# Altium PCB JTAG-批量下载V06.PcbDoc (part 3 of 13) (continued)
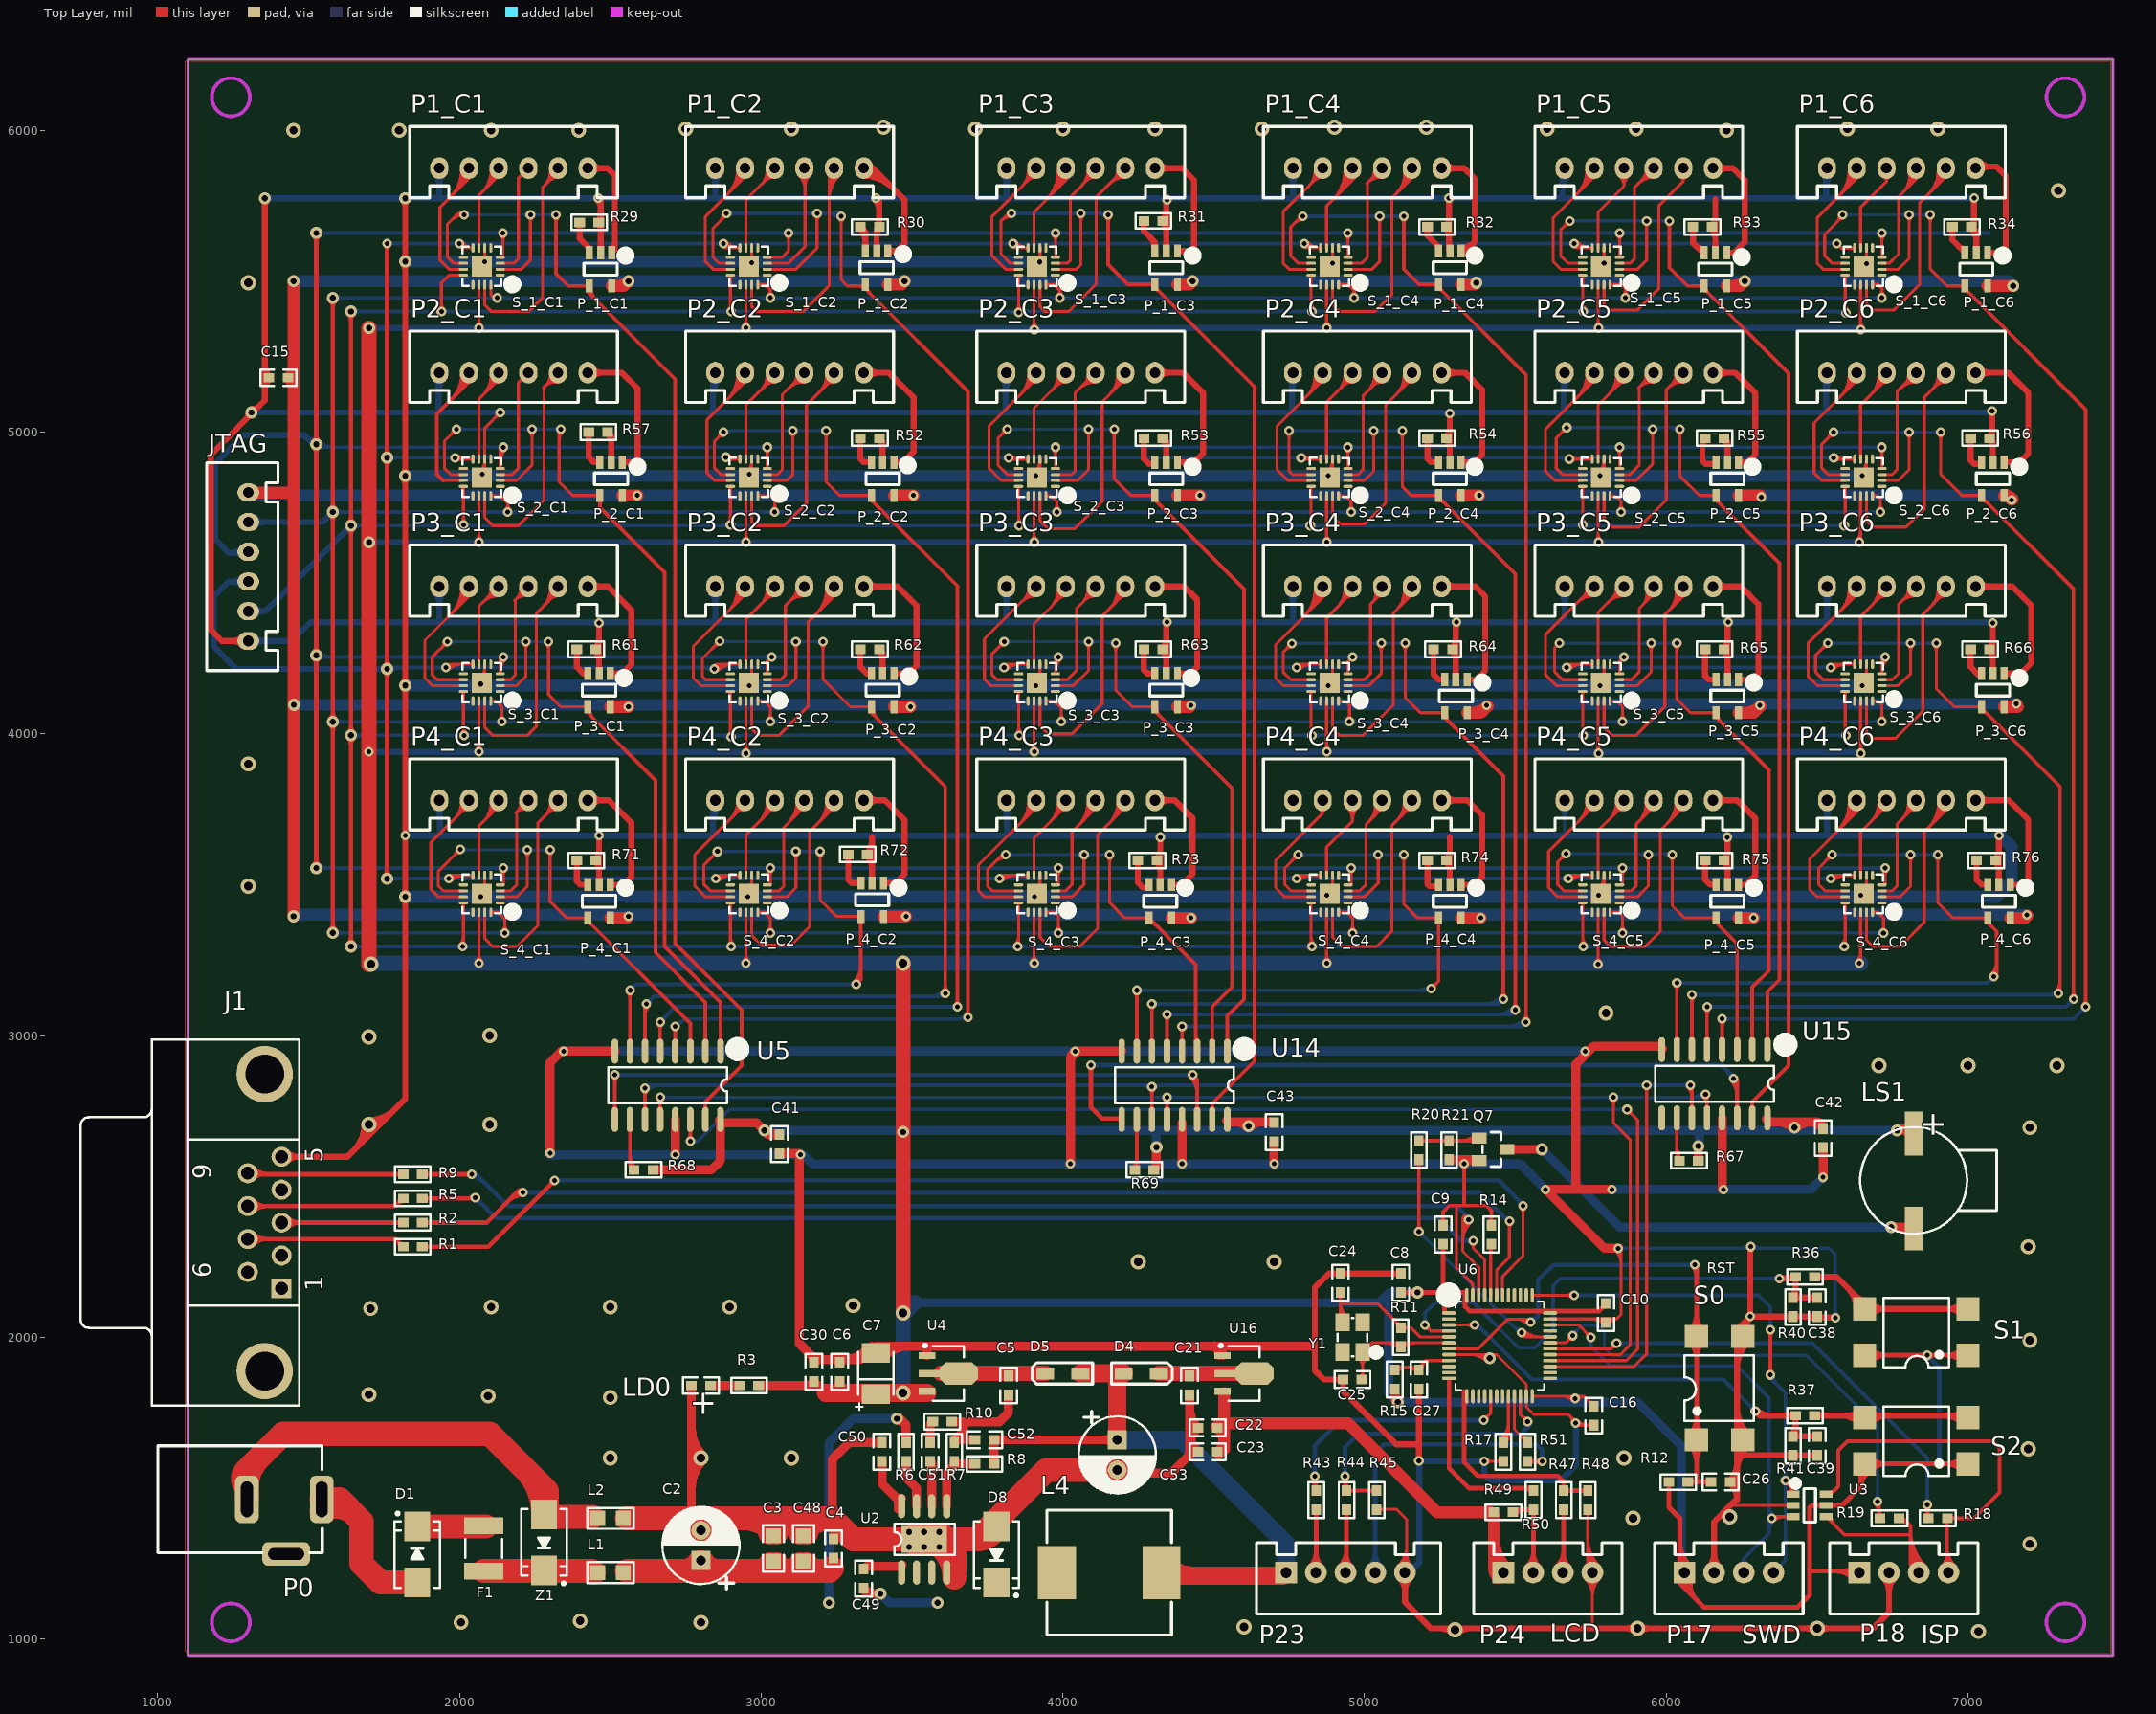
[diagram p0: Top Layer view]
## Nets (pads, with @x,y where several pads share a name; then routed paths per layer and width w, separated by ;. In a path a pad name is that pad's centre, name@x,y a point inside that pad or via, vN(x,y) a via of type N, cw(c..) or ccw(c..) an arc to the next point about the centre after c; other vN are vias at no path point) (continued)
  Top Layer w12: P_2_C1.4@2465.2,4789.76 2465.2,4749.8 2680,4535 2680,3295 2865,3110 U5.1@2865,2948.19 ; P_2_C1.4@2461.09,4775.81 cw(c2451.17,4765.89) 2465.2,4765.89 ; P_2_C1.4@2461.09,4775.81 cw(c2451.17,4765.89) 2465.2,4765.89 ; P_2_C1.4@2461.09,4775.81 cw(c2451.17,4765.89) 2465.2,4765.89 ; 2465.2,4765.89 cw(c2479.23,4765.89) P_2_C1.4@2469.31,4775.81 ; 2465.2,4765.89 cw(c2479.23,4765.89) P_2_C1.4@2469.31,4775.81 ; 2465.2,4765.89 cw(c2479.23,4765.89) P_2_C1.4@2469.31,4775.81 ; U5.1@2861.59,2982.11 ccw(c2853.35,2990.35) 2865,2990.35 ; U5.1@2861.59,2982.11 ccw(c2853.35,2990.35) 2865,2990.35 ; U5.1@2861.59,2982.11 ccw(c2853.35,2990.35) 2865,2990.35 ; 2865,2990.35 ccw(c2876.65,2990.35) U5.1@2868.41,2982.11 ; 2865,2990.35 ccw(c2876.65,2990.35) U5.1@2868.41,2982.11 ; 2865,2990.35 ccw(c2876.65,2990.35) U5.1@2868.41,2982.11
  Bottom Layer w10: v1(1990,5010) v1(2335,5010) ; 2016.56,5010 ccw(c2016.56,4983.44) 1997.78,5002.22 cw(c2016.56,4983.44) 2016.56,5010 ; 2016.56,5010 cw(c2016.56,5036.56) 1997.78,5017.78 ccw(c2016.56,5036.56) 2016.56,5010 ; 2213.44,5010 ccw(c2213.44,5036.56) 2232.22,5017.78 cw(c2213.44,5036.56) 2213.44,5010 ; 2213.44,5010 cw(c2213.44,4983.44) 2232.22,5002.22 ccw(c2213.44,4983.44) 2213.44,5010 ; 2266.56,5010 ccw(c2266.56,4983.44) 2247.78,5002.22 cw(c2266.56,4983.44) 2266.56,5010 ; 2266.56,5010 cw(c2266.56,5036.56) 2247.78,5017.78 ccw(c2266.56,5036.56) 2266.56,5010 ; 2308.44,5010 ccw(c2308.44,5036.56) 2327.22,5017.78 cw(c2308.44,5036.56) 2308.44,5010 ; 2308.44,5010 cw(c2308.44,4983.44) 2327.22,5002.22 ccw(c2308.44,4983.44) 2308.44,5010
EN_2_C2: P_2_C2.4 S_2_C2.2 S_2_C2.10 U5.5 | length 5493.4
  Top Layer w10: v1(2875,5000) 2845,4970 2845,4880 2865.63,4859.37 S_2_C2.10@2897.95,4859.37 ; S_2_C2.2@3020,4839.69 3084.68,4839.69 3105,4860 v1(3105,5005) ; v1(3215,5005) 3215,4835 3260.24,4789.76 P_2_C2.4@3365.2,4789.76 ; 2856.22,4981.22 ccw(c2837.44,5000) v1@2864,5000 ; 2856.22,4981.22 cw(c2875,4962.44) v1@2875,4989 ; 2856.22,4981.22 ccw(c2837.44,5000) v1@2864,5000 ; 2856.22,4981.22 cw(c2875,4962.44) v1@2875,4989 ; 2856.22,4981.22 ccw(c2837.44,5000) v1@2864,5000 ; 2856.22,4981.22 cw(c2875,4962.44) v1@2875,4989 ; v1@3097.22,4997.22 cw(c3078.44,4978.44) 3105,4978.44 ; v1@3097.22,4997.22 cw(c3078.44,4978.44) 3105,4978.44 ; v1@3097.22,4997.22 cw(c3078.44,4978.44) 3105,4978.44 ; 3105,4978.44 cw(c3131.56,4978.44) v1@3112.78,4997.22 ; 3105,4978.44 cw(c3131.56,4978.44) v1@3112.78,4997.22 ; 3105,4978.44 cw(c3131.56,4978.44) v1@3112.78,4997.22 ; v1@3207.22,4997.22 cw(c3188.44,4978.44) 3215,4978.44 ; v1@3207.22,4997.22 cw(c3188.44,4978.44) 3215,4978.44 ; v1@3207.22,4997.22 cw(c3188.44,4978.44) 3215,4978.44 ; 3215,4978.44 cw(c3241.56,4978.44) v1@3222.78,4997.22 ; 3215,4978.44 cw(c3241.56,4978.44) v1@3222.78,4997.22 ; 3215,4978.44 cw(c3241.56,4978.44) v1@3222.78,4997.22 ; 3348.75,4789.76 ccw(c3348.75,4806.21) P_2_C2.4@3360.38,4794.58 ; 3348.75,4789.76 cw(c3348.75,4773.32) P_2_C2.4@3360.38,4784.95 ; 3348.75,4789.76 ccw(c3348.75,4806.21) P_2_C2.4@3360.38,4794.58 ; 3348.75,4789.76 cw(c3348.75,4773.32) P_2_C2.4@3360.38,4784.95 ; 3348.75,4789.76 ccw(c3348.75,4806.21) P_2_C2.4@3360.38,4794.58 ; 3348.75,4789.76 cw(c3348.75,4773.32) P_2_C2.4@3360.38,4784.95
  Top Layer w12: U5.5@2665,2945 v1(2665,3045) ; P_2_C2.4@3365.2,4789.76 3365.2,4774.8 3650,4490 v1(3650,3095) ; v1@2657.93,3037.93 cw(c2640.86,3020.86) 2665,3020.86 ; v1@2657.93,3037.93 cw(c2640.86,3020.86) 2665,3020.86 ; v1@2657.93,3037.93 cw(c2640.86,3020.86) 2665,3020.86 ; U5.5@2661.59,2982.11 ccw(c2653.35,2990.35) 2665,2990.35 ; U5.5@2661.59,2982.11 ccw(c2653.35,2990.35) 2665,2990.35 ; U5.5@2661.59,2982.11 ccw(c2653.35,2990.35) 2665,2990.35 ; 2665,2990.35 ccw(c2676.65,2990.35) U5.5@2668.41,2982.11 ; 2665,2990.35 ccw(c2676.65,2990.35) U5.5@2668.41,2982.11 ; 2665,2990.35 ccw(c2676.65,2990.35) U5.5@2668.41,2982.11 ; 2665,3020.86 cw(c2689.14,3020.86) v1@2672.07,3037.93 ; 2665,3020.86 cw(c2689.14,3020.86) v1@2672.07,3037.93 ; 2665,3020.86 cw(c2689.14,3020.86) v1@2672.07,3037.93 ; P_2_C2.4@3371.01,4779.92 ccw(c3397.39,4779.92) 3378.74,4761.26 ; P_2_C2.4@3371.01,4779.92 ccw(c3397.39,4779.92) 3378.74,4761.26 ; P_2_C2.4@3371.01,4779.92 ccw(c3397.39,4779.92) 3378.74,4761.26 ; v1@3642.93,3102.07 ccw(c3625.86,3119.14) 3650,3119.14 ; v1@3642.93,3102.07 ccw(c3625.86,3119.14) 3650,3119.14 ; v1@3642.93,3102.07 ccw(c3625.86,3119.14) 3650,3119.14 ; 3650,3119.14 ccw(c3674.14,3119.14) v1@3657.07,3102.07 ; 3650,3119.14 ccw(c3674.14,3119.14) v1@3657.07,3102.07 ; 3650,3119.14 ccw(c3674.14,3119.14) v1@3657.07,3102.07
  Bottom Layer w10: v1(2875,5000) 2880,5005 v1(3215,5005) ; v1@2882.78,4992.22 cw(c2913.63,4961.37) 2913.63,5005 ; v1@2882.78,4992.22 cw(c2913.63,4961.37) 2913.63,5005 ; v1@2882.78,4992.22 cw(c2913.63,4961.37) 2913.63,5005 ; 3078.44,5005 ccw(c3078.44,5031.56) 3097.22,5012.78 cw(c3078.44,5031.56) 3078.44,5005 ; 3078.44,5005 cw(c3078.44,4978.44) 3097.22,4997.22 ccw(c3078.44,4978.44) 3078.44,5005 ; v1@3112.78,4997.22 cw(c3131.56,4978.44) 3131.56,5005 ; v1@3112.78,4997.22 cw(c3131.56,4978.44) 3131.56,5005 ; v1@3112.78,4997.22 cw(c3131.56,4978.44) 3131.56,5005 ; v1@3112.78,5012.78 ccw(c3131.56,5031.56) 3131.56,5005 ; v1@3112.78,5012.78 ccw(c3131.56,5031.56) 3131.56,5005 ; v1@3112.78,5012.78 ccw(c3131.56,5031.56) 3131.56,5005 ; 3188.44,5005 ccw(c3188.44,5031.56) v1@3207.22,5012.78 ; 3188.44,5005 cw(c3188.44,4978.44) v1@3207.22,4997.22 ; 3188.44,5005 ccw(c3188.44,5031.56) v1@3207.22,5012.78 ; 3188.44,5005 cw(c3188.44,4978.44) v1@3207.22,4997.22 ; 3188.44,5005 ccw(c3188.44,5031.56) v1@3207.22,5012.78 ; 3188.44,5005 cw(c3188.44,4978.44) v1@3207.22,4997.22
  Bottom Layer w12: v1(2665,3045) 2715,3095 v1(3650,3095) ; v1@2665,3055 ccw(c2665,3079.14) 2682.07,3062.07 ; v1@2665,3055 ccw(c2665,3079.14) 2682.07,3062.07 ; v1@2665,3055 ccw(c2665,3079.14) 2682.07,3062.07 ; v1@2675,3045 cw(c2699.14,3045) 2682.07,3062.07 ; v1@2675,3045 cw(c2699.14,3045) 2682.07,3062.07 ; v1@2675,3045 cw(c2699.14,3045) 2682.07,3062.07 ; 3625.86,3095 ccw(c3625.86,3119.14) v1@3642.93,3102.07 ; 3625.86,3095 cw(c3625.86,3070.86) v1@3642.93,3087.93 ; 3625.86,3095 ccw(c3625.86,3119.14) v1@3642.93,3102.07 ; 3625.86,3095 cw(c3625.86,3070.86) v1@3642.93,3087.93 ; 3625.86,3095 ccw(c3625.86,3119.14) v1@3642.93,3102.07 ; 3625.86,3095 cw(c3625.86,3070.86) v1@3642.93,3087.93
EN_2_C3: P_2_C3.4 S_2_C3.2 S_2_C3.10 U14.1 | length 4054.1
  Top Layer w10: v1(3815,5010) 3785,4980 3785,4890 3815.63,4859.37 S_2_C3.10@3852.95,4859.37 ; S_2_C3.2@3975,4839.69 4049.68,4839.69 4085,4875 v1(4085,5010) ; v1(4170,5010) 4170,4845 4225.24,4789.76 P_2_C3.4@4305.2,4789.76 ; 3796.22,4991.22 ccw(c3777.44,5010) v1@3804,5010 ; 3796.22,4991.22 cw(c3815,4972.44) v1@3815,4999 ; 3796.22,4991.22 ccw(c3777.44,5010) v1@3804,5010 ; 3796.22,4991.22 cw(c3815,4972.44) v1@3815,4999 ; 3796.22,4991.22 ccw(c3777.44,5010) v1@3804,5010 ; 3796.22,4991.22 cw(c3815,4972.44) v1@3815,4999 ; v1@4077.22,5002.22 cw(c4058.44,4983.44) 4085,4983.44 ; v1@4077.22,5002.22 cw(c4058.44,4983.44) 4085,4983.44 ; v1@4077.22,5002.22 cw(c4058.44,4983.44) 4085,4983.44 ; 4085,4983.44 cw(c4111.56,4983.44) v1@4092.78,5002.22 ; 4085,4983.44 cw(c4111.56,4983.44) v1@4092.78,5002.22 ; 4085,4983.44 cw(c4111.56,4983.44) v1@4092.78,5002.22 ; v1@4162.22,5002.22 cw(c4143.44,4983.44) 4170,4983.44 ; v1@4162.22,5002.22 cw(c4143.44,4983.44) 4170,4983.44 ; v1@4162.22,5002.22 cw(c4143.44,4983.44) 4170,4983.44 ; 4170,4983.44 cw(c4196.56,4983.44) v1@4177.78,5002.22 ; 4170,4983.44 cw(c4196.56,4983.44) v1@4177.78,5002.22 ; 4170,4983.44 cw(c4196.56,4983.44) v1@4177.78,5002.22 ; 4288.75,4789.76 ccw(c4288.75,4806.21) P_2_C3.4@4300.38,4794.58 ; 4288.75,4789.76 cw(c4288.75,4773.32) P_2_C3.4@4300.38,4784.95 ; 4288.75,4789.76 ccw(c4288.75,4806.21) P_2_C3.4@4300.38,4794.58 ; 4288.75,4789.76 cw(c4288.75,4773.32) P_2_C3.4@4300.38,4784.95 ; 4288.75,4789.76 ccw(c4288.75,4806.21) P_2_C3.4@4300.38,4794.58 ; 4288.75,4789.76 cw(c4288.75,4773.32) P_2_C3.4@4300.38,4784.95
  Top Layer w12: P_2_C3.4@4305.2,4789.76 4305.2,4774.8 4600,4480 4600,3120 4545,3065 U14.1@4545,2935 ; P_2_C3.4@4311.01,4779.92 ccw(c4337.39,4779.92) 4318.74,4761.26 ; P_2_C3.4@4311.01,4779.92 ccw(c4337.39,4779.92) 4318.74,4761.26 ; P_2_C3.4@4311.01,4779.92 ccw(c4337.39,4779.92) 4318.74,4761.26 ; U14.1@4541.59,2982.11 ccw(c4533.35,2990.35) 4545,2990.35 ; U14.1@4541.59,2982.11 ccw(c4533.35,2990.35) 4545,2990.35 ; U14.1@4541.59,2982.11 ccw(c4533.35,2990.35) 4545,2990.35 ; 4545,2990.35 ccw(c4556.65,2990.35) U14.1@4548.41,2982.11 ; 4545,2990.35 ccw(c4556.65,2990.35) U14.1@4548.41,2982.11 ; 4545,2990.35 ccw(c4556.65,2990.35) U14.1@4548.41,2982.11
  Bottom Layer w10: v1(3815,5010) v1(4170,5010) ; 3841.56,5010 ccw(c3841.56,4983.44) 3822.78,5002.22 cw(c3841.56,4983.44) 3841.56,5010 ; 3841.56,5010 cw(c3841.56,5036.56) 3822.78,5017.78 ccw(c3841.56,5036.56) 3841.56,5010 ; 4058.44,5010 ccw(c4058.44,5036.56) 4077.22,5017.78 cw(c4058.44,5036.56) 4058.44,5010 ; 4058.44,5010 cw(c4058.44,4983.44) 4077.22,5002.22 ccw(c4058.44,4983.44) 4058.44,5010 ; 4111.56,5010 ccw(c4111.56,4983.44) 4092.78,5002.22 cw(c4111.56,4983.44) 4111.56,5010 ; 4111.56,5010 cw(c4111.56,5036.56) 4092.78,5017.78 ccw(c4111.56,5036.56) 4111.56,5010 ; 4143.44,5010 ccw(c4143.44,5036.56) 4162.22,5017.78 cw(c4143.44,5036.56) 4143.44,5010 ; 4143.44,5010 cw(c4143.44,4983.44) 4162.22,5002.22 ccw(c4143.44,4983.44) 4143.44,5010
EN_2_C4: P_2_C4.4 S_2_C4.2 S_2_C4.10 U14.5 | length 5854.9
  Top Layer w10: v1@4750,5015 4750,4870 4760.63,4859.37 S_2_C4.10@4822.95,4859.37 ; S_2_C4.2@4945,4839.69 4999.69,4839.69 5030,4870 v1(5030,5005) ; v1(5125,5005) 5125,4820 5155.24,4789.76 P_2_C4.4@5245.2,4789.76 ; v1@4742.22,4997.22 cw(c4723.44,4978.44) 4750,4978.44 ; v1@4742.22,4997.22 cw(c4723.44,4978.44) 4750,4978.44 ; v1@4742.22,4997.22 cw(c4723.44,4978.44) 4750,4978.44 ; 4750,4978.44 cw(c4776.56,4978.44) v1@4757.78,4997.22 ; 4750,4978.44 cw(c4776.56,4978.44) v1@4757.78,4997.22 ; 4750,4978.44 cw(c4776.56,4978.44) v1@4757.78,4997.22 ; v1@5022.22,4997.22 cw(c5003.44,4978.44) 5030,4978.44 ; v1@5022.22,4997.22 cw(c5003.44,4978.44) 5030,4978.44 ; v1@5022.22,4997.22 cw(c5003.44,4978.44) 5030,4978.44 ; 5030,4978.44 cw(c5056.56,4978.44) v1@5037.78,4997.22 ; 5030,4978.44 cw(c5056.56,4978.44) v1@5037.78,4997.22 ; 5030,4978.44 cw(c5056.56,4978.44) v1@5037.78,4997.22 ; v1@5117.22,4997.22 cw(c5098.44,4978.44) 5125,4978.44 ; v1@5117.22,4997.22 cw(c5098.44,4978.44) 5125,4978.44 ; v1@5117.22,4997.22 cw(c5098.44,4978.44) 5125,4978.44 ; 5125,4978.44 cw(c5151.56,4978.44) v1@5132.78,4997.22 ; 5125,4978.44 cw(c5151.56,4978.44) v1@5132.78,4997.22 ; 5125,4978.44 cw(c5151.56,4978.44) v1@5132.78,4997.22 ; 5228.75,4789.76 ccw(c5228.75,4806.21) P_2_C4.4@5240.38,4794.58 ; 5228.75,4789.76 cw(c5228.75,4773.32) P_2_C4.4@5240.38,4784.95 ; 5228.75,4789.76 ccw(c5228.75,4806.21) P_2_C4.4@5240.38,4794.58 ; 5228.75,4789.76 cw(c5228.75,4773.32) P_2_C4.4@5240.38,4784.95 ; 5228.75,4789.76 ccw(c5228.75,4806.21) P_2_C4.4@5240.38,4794.58 ; 5228.75,4789.76 cw(c5228.75,4773.32) P_2_C4.4@5240.38,4784.95
  Top Layer w12: U14.5@4345,2948.19 v1(4345,3070) ; P_2_C4.4@5245.2,4789.76 5245.2,4784.8 5500,4530 v1(5500,3085) ; v1@4337.93,3062.93 cw(c4320.86,3045.86) 4345,3045.86 ; v1@4337.93,3062.93 cw(c4320.86,3045.86) 4345,3045.86 ; v1@4337.93,3062.93 cw(c4320.86,3045.86) 4345,3045.86 ; U14.5@4341.59,2982.11 ccw(c4333.35,2990.35) 4345,2990.35 ; U14.5@4341.59,2982.11 ccw(c4333.35,2990.35) 4345,2990.35 ; U14.5@4341.59,2982.11 ccw(c4333.35,2990.35) 4345,2990.35 ; 4345,2990.35 ccw(c4356.65,2990.35) U14.5@4348.41,2982.11 ; 4345,2990.35 ccw(c4356.65,2990.35) U14.5@4348.41,2982.11 ; 4345,2990.35 ccw(c4356.65,2990.35) U14.5@4348.41,2982.11 ; 4345,3045.86 cw(c4369.14,3045.86) v1@4352.07,3062.93 ; 4345,3045.86 cw(c4369.14,3045.86) v1@4352.07,3062.93 ; 4345,3045.86 cw(c4369.14,3045.86) v1@4352.07,3062.93 ; P_2_C4.4@5245.2,4774.11 cw(c5245.2,4748.3) 5263.45,4766.55 ; P_2_C4.4@5245.2,4774.11 cw(c5245.2,4748.3) 5263.45,4766.55 ; P_2_C4.4@5245.2,4774.11 cw(c5245.2,4748.3) 5263.45,4766.55 ; v1@5492.93,3092.07 ccw(c5475.86,3109.14) 5500,3109.14 ; v1@5492.93,3092.07 ccw(c5475.86,3109.14) 5500,3109.14 ; v1@5492.93,3092.07 ccw(c5475.86,3109.14) 5500,3109.14 ; 5500,3109.14 ccw(c5524.14,3109.14) v1@5507.07,3092.07 ; 5500,3109.14 ccw(c5524.14,3109.14) v1@5507.07,3092.07 ; 5500,3109.14 ccw(c5524.14,3109.14) v1@5507.07,3092.07
  Bottom Layer w10: v1(4750,5005) v1(5125,5005) ; 4776.56,5005 ccw(c4776.56,4978.44) 4757.78,4997.22 cw(c4776.56,4978.44) 4776.56,5005 ; 4776.56,5005 cw(c4776.56,5031.56) 4757.78,5012.78 ccw(c4776.56,5031.56) 4776.56,5005 ; 5003.44,5005 ccw(c5003.44,5031.56) 5022.22,5012.78 cw(c5003.44,5031.56) 5003.44,5005 ; 5003.44,5005 cw(c5003.44,4978.44) 5022.22,4997.22 ccw(c5003.44,4978.44) 5003.44,5005 ; v1@5037.78,4997.22 cw(c5056.56,4978.44) 5056.56,5005 ; v1@5037.78,4997.22 cw(c5056.56,4978.44) 5056.56,5005 ; v1@5037.78,4997.22 cw(c5056.56,4978.44) 5056.56,5005 ; v1@5037.78,5012.78 ccw(c5056.56,5031.56) 5056.56,5005 ; v1@5037.78,5012.78 ccw(c5056.56,5031.56) 5056.56,5005 ; v1@5037.78,5012.78 ccw(c5056.56,5031.56) 5056.56,5005 ; 5098.44,5005 ccw(c5098.44,5031.56) v1@5117.22,5012.78 ; 5098.44,5005 cw(c5098.44,4978.44) v1@5117.22,4997.22 ; 5098.44,5005 ccw(c5098.44,5031.56) v1@5117.22,5012.78 ; 5098.44,5005 cw(c5098.44,4978.44) v1@5117.22,4997.22 ; 5098.44,5005 ccw(c5098.44,5031.56) v1@5117.22,5012.78 ; 5098.44,5005 cw(c5098.44,4978.44) v1@5117.22,4997.22
  Bottom Layer w12: v1(4345,3070) 5485,3070 v1(5500,3085) ; v1@4352.07,3062.93 cw(c4369.14,3045.86) 4369.14,3070 ; v1@4352.07,3062.93 cw(c4369.14,3045.86) 4369.14,3070 ; v1@4352.07,3062.93 cw(c4369.14,3045.86) 4369.14,3070 ; v1@4352.07,3077.07 ccw(c4369.14,3094.14) 4369.14,3070 ; v1@4352.07,3077.07 ccw(c4369.14,3094.14) 4369.14,3070 ; v1@4352.07,3077.07 ccw(c4369.14,3094.14) 4369.14,3070 ; 5439.64,3070 ccw(c5439.64,3145.36) v1@5492.93,3092.07 ; 5439.64,3070 ccw(c5439.64,3145.36) v1@5492.93,3092.07 ; 5439.64,3070 ccw(c5439.64,3145.36) v1@5492.93,3092.07 ; 5468.62,3070 ccw(c5468.62,3116.38) v1@5501.41,3083.59 ; 5468.62,3070 ccw(c5468.62,3116.38) v1@5501.41,3083.59 ; 5468.62,3070 ccw(c5468.62,3116.38) v1@5501.41,3083.59
EN_2_C5: P_2_C5.4 S_2_C5.2 S_2_C5.10 U15.1 | length 3980.5
  Top Layer w10: v1(5670,5015) 5635,4980 5635,4880 5655.63,4859.37 S_2_C5.10@5722.95,4859.37 ; S_2_C5.2@5845,4839.69 5899.69,4839.69 5955,4895 v1(5955,5010) ; v1(6045,5010) 6045,4855 6110.24,4789.76 P_2_C5.4@6165.2,4789.76 ; 5651.22,4996.22 ccw(c5632.44,5015) v1@5659,5015 ; 5651.22,4996.22 cw(c5670,4977.44) v1@5670,5004 ; 5651.22,4996.22 ccw(c5632.44,5015) v1@5659,5015 ; 5651.22,4996.22 cw(c5670,4977.44) v1@5670,5004 ; 5651.22,4996.22 ccw(c5632.44,5015) v1@5659,5015 ; 5651.22,4996.22 cw(c5670,4977.44) v1@5670,5004 ; v1@5947.22,5002.22 cw(c5928.44,4983.44) 5955,4983.44 ; v1@5947.22,5002.22 cw(c5928.44,4983.44) 5955,4983.44 ; v1@5947.22,5002.22 cw(c5928.44,4983.44) 5955,4983.44 ; 5955,4983.44 cw(c5981.56,4983.44) v1@5962.78,5002.22 ; 5955,4983.44 cw(c5981.56,4983.44) v1@5962.78,5002.22 ; 5955,4983.44 cw(c5981.56,4983.44) v1@5962.78,5002.22 ; v1@6037.22,5002.22 cw(c6018.44,4983.44) 6045,4983.44 ; v1@6037.22,5002.22 cw(c6018.44,4983.44) 6045,4983.44 ; v1@6037.22,5002.22 cw(c6018.44,4983.44) 6045,4983.44 ; 6045,4983.44 cw(c6071.56,4983.44) v1@6052.78,5002.22 ; 6045,4983.44 cw(c6071.56,4983.44) v1@6052.78,5002.22 ; 6045,4983.44 cw(c6071.56,4983.44) v1@6052.78,5002.22 ; 6148.75,4789.76 ccw(c6148.75,4806.21) P_2_C5.4@6160.38,4794.58 ; 6148.75,4789.76 cw(c6148.75,4773.32) P_2_C5.4@6160.38,4784.95 ; 6148.75,4789.76 ccw(c6148.75,4806.21) P_2_C5.4@6160.38,4794.58 ; 6148.75,4789.76 cw(c6148.75,4773.32) P_2_C5.4@6160.38,4784.95 ; 6148.75,4789.76 ccw(c6148.75,4806.21) P_2_C5.4@6160.38,4794.58 ; 6148.75,4789.76 cw(c6148.75,4773.32) P_2_C5.4@6160.38,4784.95
  Top Layer w12: P_2_C5.4@6165.2,4789.76 6165.2,4774.8 6375,4565 6375,3185 6335,3145 U15.1@6335,2945 ; P_2_C5.4@6171.01,4779.92 ccw(c6197.39,4779.92) 6178.74,4761.26 ; P_2_C5.4@6171.01,4779.92 ccw(c6197.39,4779.92) 6178.74,4761.26 ; P_2_C5.4@6171.01,4779.92 ccw(c6197.39,4779.92) 6178.74,4761.26 ; U15.1@6331.59,2987.11 ccw(c6323.35,2995.35) 6335,2995.35 ; U15.1@6331.59,2987.11 ccw(c6323.35,2995.35) 6335,2995.35 ; U15.1@6331.59,2987.11 ccw(c6323.35,2995.35) 6335,2995.35 ; 6335,2995.35 ccw(c6346.65,2995.35) U15.1@6338.41,2987.11 ; 6335,2995.35 ccw(c6346.65,2995.35) U15.1@6338.41,2987.11 ; 6335,2995.35 ccw(c6346.65,2995.35) U15.1@6338.41,2987.11
  Bottom Layer w10: v1(5670,5015) 6040,5015 v1(6045,5010) ; 5696.56,5015 ccw(c5696.56,4988.44) 5677.78,5007.22 cw(c5696.56,4988.44) 5696.56,5015 ; 5696.56,5015 cw(c5696.56,5041.56) 5677.78,5022.78 ccw(c5696.56,5041.56) 5696.56,5015 ; 5916.37,5015 cw(c5916.37,4971.37) 5947.22,5002.22 ccw(c5916.37,4971.37) 5916.37,5015 ; v1@5962.78,5002.22 cw(c5993.63,4971.37) 5993.63,5015 ccw(c5993.63,4971.37) v1@5962.78,5002.22 ; 6006.37,5015 cw(c6006.37,4971.37) 6037.22,5002.22 ccw(c6006.37,4971.37) 6006.37,5015
EN_2_C6: P_2_C6.4 S_2_C6.2 S_2_C6.10 U15.5 | length 5631.9
  Top Layer w10: v1(6554.52,4999.52) 6515,4960 6515,4880 6535.63,4859.37 S_2_C6.10@6592.95,4859.37 ; S_2_C6.2@6715,4839.69 6769.69,4839.69 6805,4875 v1(6805,5000) ; v1(6910,5000) 6910,4860 6980.24,4789.76 P_2_C6.4@7045.2,4789.76 ; 6535.74,4980.74 ccw(c6516.96,4999.52) v1@6543.52,4999.52 ; 6535.74,4980.74 cw(c6554.52,4961.96) v1@6554.52,4988.52 ; 6535.74,4980.74 ccw(c6516.96,4999.52) v1@6543.52,4999.52 ; 6535.74,4980.74 cw(c6554.52,4961.96) v1@6554.52,4988.52 ; 6535.74,4980.74 ccw(c6516.96,4999.52) v1@6543.52,4999.52 ; 6535.74,4980.74 cw(c6554.52,4961.96) v1@6554.52,4988.52 ; v1@6797.22,4992.22 cw(c6778.44,4973.44) 6805,4973.44 ; v1@6797.22,4992.22 cw(c6778.44,4973.44) 6805,4973.44 ; v1@6797.22,4992.22 cw(c6778.44,4973.44) 6805,4973.44 ; 6805,4973.44 cw(c6831.56,4973.44) v1@6812.78,4992.22 ; 6805,4973.44 cw(c6831.56,4973.44) v1@6812.78,4992.22 ; 6805,4973.44 cw(c6831.56,4973.44) v1@6812.78,4992.22 ; v1@6902.22,4992.22 cw(c6883.44,4973.44) 6910,4973.44 ; v1@6902.22,4992.22 cw(c6883.44,4973.44) 6910,4973.44 ; v1@6902.22,4992.22 cw(c6883.44,4973.44) 6910,4973.44 ; 6910,4973.44 cw(c6936.56,4973.44) v1@6917.78,4992.22 ; 6910,4973.44 cw(c6936.56,4973.44) v1@6917.78,4992.22 ; 6910,4973.44 cw(c6936.56,4973.44) v1@6917.78,4992.22 ; 7028.75,4789.76 ccw(c7028.75,4806.21) P_2_C6.4@7040.38,4794.58 ; 7028.75,4789.76 cw(c7028.75,4773.32) P_2_C6.4@7040.38,4784.95 ; 7028.75,4789.76 ccw(c7028.75,4806.21) P_2_C6.4@7040.38,4794.58 ; 7028.75,4789.76 cw(c7028.75,4773.32) P_2_C6.4@7040.38,4784.95 ; 7028.75,4789.76 ccw(c7028.75,4806.21) P_2_C6.4@7040.38,4794.58 ; 7028.75,4789.76 cw(c7028.75,4773.32) P_2_C6.4@7040.38,4784.95
  Top Layer w12: U15.5@6135,2953.19 v1(6135,3095) ; P_2_C6.4@7045.2,4789.76 7045.2,4784.8 7350,4480 v1(7350,3120) ; v1@6127.93,3087.93 cw(c6110.86,3070.86) 6135,3070.86 ; v1@6127.93,3087.93 cw(c6110.86,3070.86) 6135,3070.86 ; v1@6127.93,3087.93 cw(c6110.86,3070.86) 6135,3070.86 ; U15.5@6131.59,2987.11 ccw(c6123.35,2995.35) 6135,2995.35 ; U15.5@6131.59,2987.11 ccw(c6123.35,2995.35) 6135,2995.35 ; U15.5@6131.59,2987.11 ccw(c6123.35,2995.35) 6135,2995.35 ; 6135,2995.35 ccw(c6146.65,2995.35) U15.5@6138.41,2987.11 ; 6135,2995.35 ccw(c6146.65,2995.35) U15.5@6138.41,2987.11 ; 6135,2995.35 ccw(c6146.65,2995.35) U15.5@6138.41,2987.11 ; 6135,3070.86 cw(c6159.14,3070.86) v1@6142.07,3087.93 ; 6135,3070.86 cw(c6159.14,3070.86) v1@6142.07,3087.93 ; 6135,3070.86 cw(c6159.14,3070.86) v1@6142.07,3087.93 ; P_2_C6.4@7045.2,4774.11 cw(c7045.2,4748.3) 7063.45,4766.55 ; P_2_C6.4@7045.2,4774.11 cw(c7045.2,4748.3) 7063.45,4766.55 ; P_2_C6.4@7045.2,4774.11 cw(c7045.2,4748.3) 7063.45,4766.55 ; v1@7342.93,3127.07 ccw(c7325.86,3144.14) 7350,3144.14 ; v1@7342.93,3127.07 ccw(c7325.86,3144.14) 7350,3144.14 ; v1@7342.93,3127.07 ccw(c7325.86,3144.14) 7350,3144.14 ; 7350,3144.14 ccw(c7374.14,3144.14) v1@7357.07,3127.07 ; 7350,3144.14 ccw(c7374.14,3144.14) v1@7357.07,3127.07 ; 7350,3144.14 ccw(c7374.14,3144.14) v1@7357.07,3127.07
  Bottom Layer w10: v1(6554.52,4999.52) v1@6909.52,4999.52 ; 6581.07,4999.52 ccw(c6581.07,4972.96) 6562.3,4991.74 cw(c6581.07,4972.96) 6581.07,4999.52 ; 6581.07,4999.52 cw(c6581.07,5026.07) 6562.3,5007.3 ccw(c6581.07,5026.07) 6581.07,4999.52 ; 6777.28,4999.52 ccw(c6777.28,5027.72) 6797.22,5007.78 cw(c6777.28,5027.72) 6777.28,4999.52 ; 6779.61,4999.52 cw(c6779.61,4974.61) 6797.22,4992.22 ccw(c6779.61,4974.61) 6779.61,4999.52 ; v1@6812.78,4992.22 cw(c6830.39,4974.61) 6830.39,4999.52 ccw(c6830.39,4974.61) v1@6812.78,4992.22 ; v1@6812.78,5007.78 ccw(c6832.72,5027.72) 6832.72,4999.52 cw(c6832.72,5027.72) v1@6812.78,5007.78 ; 6882.28,4999.52 ccw(c6882.28,5027.72) 6902.22,5007.78 cw(c6882.28,5027.72) 6882.28,4999.52 ; 6884.61,4999.52 cw(c6884.61,4974.61) 6902.22,4992.22 ccw(c6884.61,4974.61) 6884.61,4999.52
  Bottom Layer w12: v1(6135,3095) 7325,3095 v1(7350,3120) ; v1@6142.07,3087.93 cw(c6159.14,3070.86) 6159.14,3095 ; v1@6142.07,3087.93 cw(c6159.14,3070.86) 6159.14,3095 ; v1@6142.07,3087.93 cw(c6159.14,3070.86) 6159.14,3095 ; v1@6142.07,3102.07 ccw(c6159.14,3119.14) 6159.14,3095 ; v1@6142.07,3102.07 ccw(c6159.14,3119.14) 6159.14,3095 ; v1@6142.07,3102.07 ccw(c6159.14,3119.14) 6159.14,3095 ; 7332.93,3102.93 ccw(c7315.86,3120) v1@7340,3120 ; 7332.93,3102.93 cw(c7350,3085.86) v1@7350,3110 ; 7332.93,3102.93 ccw(c7315.86,3120) v1@7340,3120 ; 7332.93,3102.93 cw(c7350,3085.86) v1@7350,3110 ; 7332.93,3102.93 ccw(c7315.86,3120) v1@7340,3120 ; 7332.93,3102.93 cw(c7350,3085.86) v1@7350,3110
EN_3_C1: P_3_C1.4 S_3_C1.2 S_3_C1.10 U5.2 | length 3339.8
  Top Layer w10: v1(1960,4305) 1910,4255 1910,4195 1925.63,4179.37 S_3_C1.10@2012.95,4179.37 ; S_3_C1.2@2135,4159.69 2189.68,4159.69 2220,4190 v1(2220,4305) ; v1@2295,4300 2295,4130 2335.24,4089.76 P_3_C1.4@2425.2,4089.76 ; 1941.22,4286.22 ccw(c1922.44,4305) v1@1949,4305 ; 1941.22,4286.22 cw(c1960,4267.44) v1@1960,4294 ; 1941.22,4286.22 ccw(c1922.44,4305) v1@1949,4305 ; 1941.22,4286.22 cw(c1960,4267.44) v1@1960,4294 ; 1941.22,4286.22 ccw(c1922.44,4305) v1@1949,4305 ; 1941.22,4286.22 cw(c1960,4267.44) v1@1960,4294 ; v1@2212.22,4297.22 cw(c2193.44,4278.44) 2220,4278.44 ; v1@2212.22,4297.22 cw(c2193.44,4278.44) 2220,4278.44 ; v1@2212.22,4297.22 cw(c2193.44,4278.44) 2220,4278.44 ; 2220,4278.44 cw(c2246.56,4278.44) v1@2227.78,4297.22 ; 2220,4278.44 cw(c2246.56,4278.44) v1@2227.78,4297.22 ; 2220,4278.44 cw(c2246.56,4278.44) v1@2227.78,4297.22 ; v1@2287.22,4297.22 cw(c2268.44,4278.44) 2295,4278.44 ; v1@2287.22,4297.22 cw(c2268.44,4278.44) 2295,4278.44 ; v1@2287.22,4297.22 cw(c2268.44,4278.44) 2295,4278.44 ; 2295,4278.44 cw(c2321.56,4278.44) v1@2302.78,4297.22 ; 2295,4278.44 cw(c2321.56,4278.44) v1@2302.78,4297.22 ; 2295,4278.44 cw(c2321.56,4278.44) v1@2302.78,4297.22 ; 2408.75,4089.76 ccw(c2408.75,4106.21) P_3_C1.4@2420.38,4094.58 ; 2408.75,4089.76 cw(c2408.75,4073.32) P_3_C1.4@2420.38,4084.95 ; 2408.75,4089.76 ccw(c2408.75,4106.21) P_3_C1.4@2420.38,4094.58 ; 2408.75,4089.76 cw(c2408.75,4073.32) P_3_C1.4@2420.38,4084.95 ; 2408.75,4089.76 ccw(c2408.75,4106.21) P_3_C1.4@2420.38,4094.58 ; 2408.75,4089.76 cw(c2408.75,4073.32) P_3_C1.4@2420.38,4084.95
  Top Layer w12: P_3_C1.4@2425.2,4089.76 2425.2,4069.8 2650,3845 2650,3275 2815,3110 U5.2@2815,2948.19 ; P_3_C1.4@2431.01,4079.92 ccw(c2469.46,4079.92) 2442.27,4052.73 ; P_3_C1.4@2431.01,4079.92 ccw(c2469.46,4079.92) 2442.27,4052.73 ; P_3_C1.4@2431.01,4079.92 ccw(c2469.46,4079.92) 2442.27,4052.73 ; U5.2@2811.59,2982.11 ccw(c2803.35,2990.35) 2815,2990.35 ; U5.2@2811.59,2982.11 ccw(c2803.35,2990.35) 2815,2990.35 ; U5.2@2811.59,2982.11 ccw(c2803.35,2990.35) 2815,2990.35 ; 2815,2990.35 ccw(c2826.65,2990.35) U5.2@2818.41,2982.11 ; 2815,2990.35 ccw(c2826.65,2990.35) U5.2@2818.41,2982.11 ; 2815,2990.35 ccw(c2826.65,2990.35) U5.2@2818.41,2982.11
  Bottom Layer w10: v1(1960,4305) v1(2295,4305) ; 1986.56,4305 ccw(c1986.56,4278.44) 1967.78,4297.22 cw(c1986.56,4278.44) 1986.56,4305 ; 1986.56,4305 cw(c1986.56,4331.56) 1967.78,4312.78 ccw(c1986.56,4331.56) 1986.56,4305 ; 2193.44,4305 ccw(c2193.44,4331.56) 2212.22,4312.78 cw(c2193.44,4331.56) 2193.44,4305 ; 2193.44,4305 cw(c2193.44,4278.44) 2212.22,4297.22 ccw(c2193.44,4278.44) 2193.44,4305 ; 2246.56,4305 ccw(c2246.56,4278.44) 2227.78,4297.22 cw(c2246.56,4278.44) 2246.56,4305 ; 2246.56,4305 cw(c2246.56,4331.56) 2227.78,4312.78 ccw(c2246.56,4331.56) 2246.56,4305 ; 2268.44,4305 ccw(c2268.44,4331.56) 2287.22,4312.78 cw(c2268.44,4331.56) 2268.44,4305 ; 2268.44,4305 cw(c2268.44,4278.44) 2287.22,4297.22 ccw(c2268.44,4278.44) 2268.44,4305